# Allegro board 8880F5-0823_9.brd (continued)
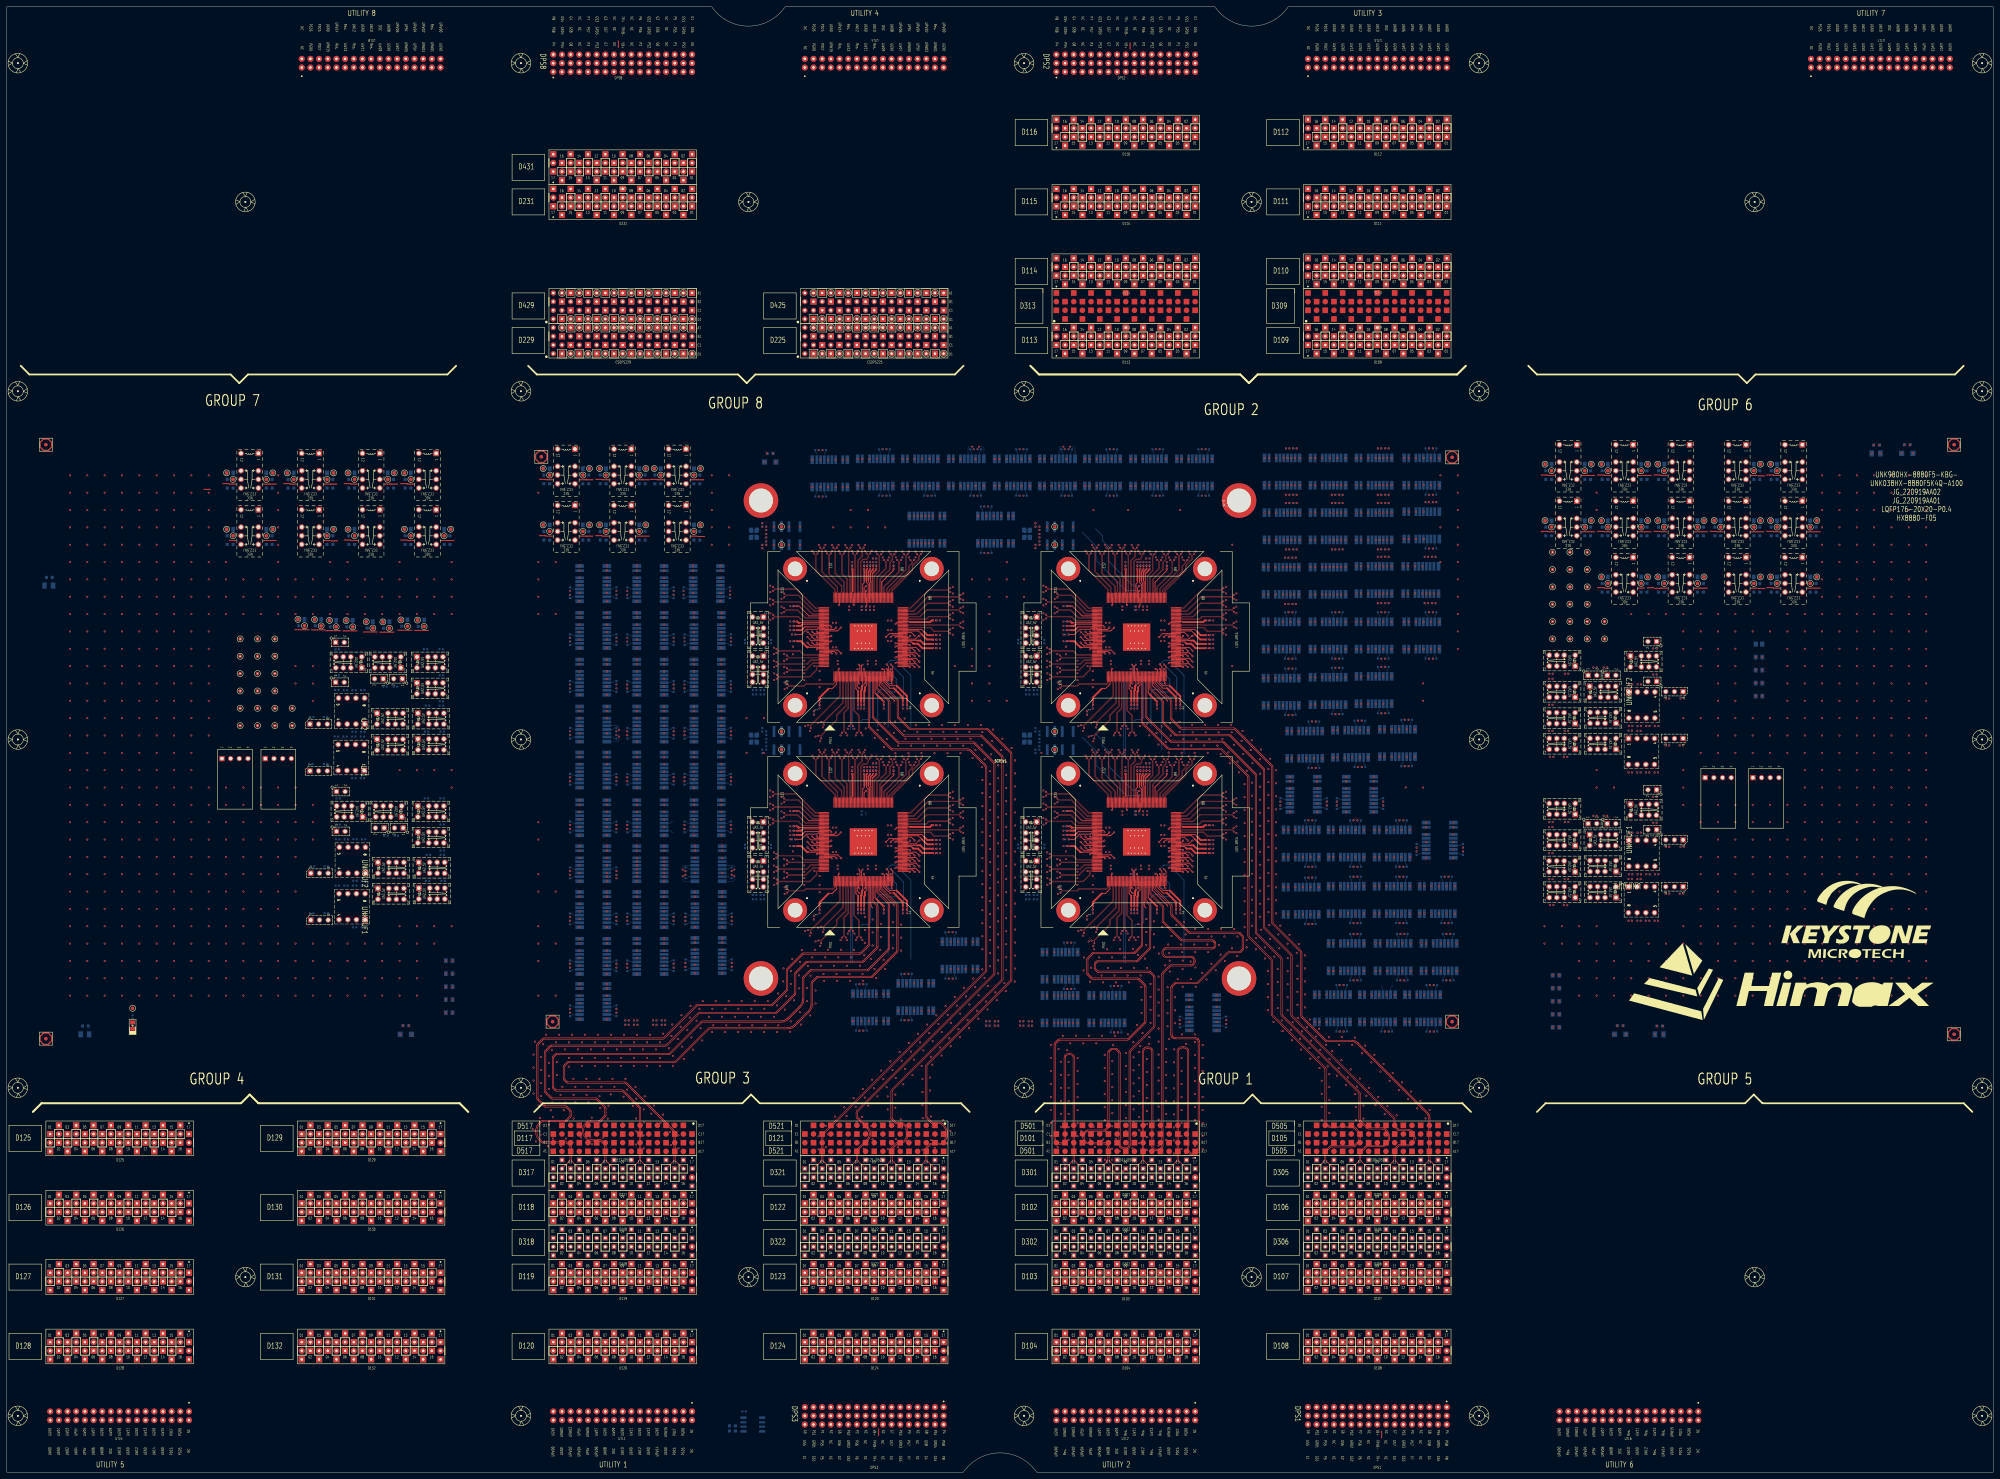
[diagram p0: board, top side]
## Placement (name value [footprint] x y rotation side) (continued)
NOREF#1524  -  []  310.43 243.09 0 top
NOREF#1525  -  []  272.8 145.48 90 top
NOREF#1526  -  []  378.75 256.56 90 top
NOREF#1527  -  []  330.17 225.04 90 top
NOREF#1528  -  []  168.69 290.01 90 top
NOREF#1529  -  []  253.4 265.56 90 top
NOREF#1530  -  []  272.24 244.86 90 top
NOREF#1531  -  []  167.7 231.27 90 top
NOREF#1532  -  []  101.82 287.84 90 top
NOREF#1533  -  []  230.43 187.61 0 top
NOREF#1534  -  []  257.9 246.35 90 top
NOREF#1535  -  []  390.34 192.28 90 top
NOREF#1536  -  []  419.9 288.67 90 top
NOREF#1537  -  []  352.25 241.69 0 top
NOREF#1538  -  []  397.55 209.41 90 top
NOREF#1539  -  []  184.47 255.15 0 top
NOREF#1540  -  []  342.68 163.52 90 top
NOREF#1541  -  []  302.11 192.14 0 top
NOREF#1542  -  []  175.7 137.37 90 top
NOREF#1543  -  []  237.57 269.63 90 top
NOREF#1544  -  []  201.49 146.18 90 top
NOREF#1545  -  []  343.95 164.74 90 top
NOREF#1546  -  []  226.44 294.64 90 top
NOREF#1547  -  []  418.38 131.89 0 top
NOREF#1548  -  []  230.43 194.01 0 top
NOREF#1549  -  []  334.29 205.55 0 top
NOREF#1550  -  []  262.68 224.74 90 top
NOREF#1551  -  []  230.41 253.37 90 top
NOREF#1552  -  []  329.28 163.82 90 top
NOREF#1553  -  []  199.33 185.42 90 top
NOREF#1554  -  []  351.34 245.18 0 top
NOREF#1555  -  []  299.59 288.86 90 top
NOREF#1556  -  []  481.96 276.41 90 top
NOREF#1557  -  []  165.8 199.39 90 top
NOREF#1558  -  []  352.25 184.86 90 top
NOREF#1559  -  []  327.25 205.55 0 top
NOREF#1560  -  []  318.32 131.64 0 top
NOREF#1561  -  []  112.41 214.71 0 top
NOREF#1562  -  []  306.27 156.63 90 top
NOREF#1563  -  []  106.76 222.88 0 top
NOREF#1564  -  []  343.31 224.74 0 top
NOREF#1565  -  []  250.23 132.14 0 top
NOREF#1566  -  []  333.4 205.56 90 top
NOREF#1567  -  []  336.77 223.82 90 top
NOREF#1568  -  []  251.62 265.56 0 top
NOREF#1569  -  []  471.11 186.77 0 top
NOREF#1570  -  []  414.82 297.12 0 top
NOREF#1571  -  []  328.42 129.74 90 top
NOREF#1572  -  []  269.94 135.19 0 top
NOREF#1573  -  []  331.22 253.63 0 top
NOREF#1574  -  []  124.1 238.84 0 top
NOREF#1575  -  []  201.66 186.02 90 top
NOREF#1576  -  []  230.73 183.41 0 top
NOREF#1577  -  []  339.97 204.35 90 top
NOREF#1578  -  []  94.93 190.55 0 top
NOREF#1579  -  []  332.51 205.56 0 top
NOREF#1580  -  []  221.56 231.46 0 top
NOREF#1581  -  []  405.17 131.89 0 top
NOREF#1582  -  []  375.73 194.78 90 top
NOREF#1583  -  []  112.41 222.33 0 top
NOREF#1584  -  []  393.74 131.34 90 top
NOREF#1585  -  []  518.38 259.9 90 top
NOREF#1586  -  []  310.43 253.37 90 top
NOREF#1587  -  []  265.81 296.86 0 top
NOREF#1588  -  []  192.47 175.56 90 top
NOREF#1589  -  []  263.63 223.82 90 top
NOREF#1590  -  []  371.48 265.11 0 top
NOREF#1591  -  []  167.7 165.4 90 top
NOREF#1592  -  []  470.79 128.27 0 top
NOREF#1593  -  []  317.98 163.82 90 top
NOREF#1594  -  []  373.68 265.11 0 top
NOREF#1595  -  []  390.53 171.64 0 top
NOREF#1596  -  []  424.47 163.09 90 top
NOREF#1597  -  []  390.53 163.64 0 top
NOREF#1598  -  []  339.97 264.35 90 top
NOREF#1599  -  []  392.24 193.43 90 top
NOREF#1600  -  []  182.57 212.85 90 top
NOREF#1601  -  []  249.85 164.74 0 top
NOREF#1602  -  []  175.7 189.02 90 top
NOREF#1603  -  []  201.23 192.32 90 top
NOREF#1604  -  []  247.25 204.35 90 top
NOREF#1605  -  []  184.89 199.99 90 top
NOREF#1606  -  []  167.7 258.7 90 top
NOREF#1607  -  []  272.55 183.91 0 top
NOREF#1608  -  []  230.41 183.09 90 top
NOREF#1609  -  []  272.25 189.18 90 top
NOREF#1610  -  []  318.45 197.01 0 top
NOREF#1611  -  []  216.96 240.71 0 top
NOREF#1612  -  []  396.55 225.11 0 top
NOREF#1613  -  []  217.41 213.24 0 top
NOREF#1614  -  []  391.96 131.89 0 top
NOREF#1615  -  []  412.88 139.89 0 top
NOREF#1616  -  []  272.25 244.23 0 top
NOREF#1617  -  []  312.79 288.86 90 top
NOREF#1618  -  []  271.34 189.5 0 top
NOREF#1619  -  []  384.36 131.89 0 top
NOREF#1620  -  []  331.05 264.65 90 top
NOREF#1621  -  []  413.71 148.15 90 top
NOREF#1622  -  []  192.47 236.67 90 top
NOREF#1623  -  []  326.23 173.13 0 top
NOREF#1624  -  []  215.96 177.06 0 top
NOREF#1625  -  []  93.02 247.21 90 top
NOREF#1626  -  []  330.17 163.82 90 top
NOREF#1627  -  []  201.23 233.47 90 top
NOREF#1628  -  []  352.55 242.64 0 top
NOREF#1629  -  []  415.61 183.52 90 top
NOREF#1630  -  []  336.45 224.72 0 top
NOREF#1631  -  []  313.56 131.64 90 top
NOREF#1632  -  []  413.96 182.44 90 top
NOREF#1633  -  []  275.3 155.38 0 top
NOREF#1634  -  []  380.53 217.11 0 top
NOREF#1635  -  []  450.03 225.6 0 top
NOREF#1636  -  []  166.06 135.19 90 top
NOREF#1637  -  []  394.05 239.21 0 top
NOREF#1638  -  []  411.26 179.6 90 top
NOREF#1639  -  []  377.48 273.16 90 top
NOREF#1640  -  []  385.19 289.12 0 top
NOREF#1641  -  []  354.27 131.87 90 top
NOREF#1642  -  []  247.25 264.35 90 top
NOREF#1643  -  []  302.11 142.44 0 top
NOREF#1644  -  []  184.47 242.78 90 top
NOREF#1645  -  []  461.96 217.98 0 top
NOREF#1646  -  []  192.57 160.9 90 top
NOREF#1647  -  []  408.88 133.16 90 top
NOREF#1648  -  []  240.5 288.61 0 top
NOREF#1649  -  []  478.57 293.82 90 top
NOREF#1650  -  []  237.98 223.82 90 top
NOREF#1651  -  []  351.34 182.64 0 top
NOREF#1652  -  []  392.24 194.78 90 top
NOREF#1653  -  []  192.47 164.3 90 top
NOREF#1654  -  []  185.2 273.5 90 top
NOREF#1655  -  []  106.76 210.11 90 top
NOREF#1656  -  []  175.7 148.38 90 top
NOREF#1657  -  []  393.19 287.22 90 top
NOREF#1658  -  []  118.96 179.19 0 top
NOREF#1659  -  []  209.49 148.63 90 top
NOREF#1660  -  []  528.1 259.9 90 top
NOREF#1661  -  []  352.24 182.32 90 top
NOREF#1662  -  []  165.8 240.28 0 top
NOREF#1663  -  []  273.95 155.38 0 top
NOREF#1664  -  []  209.49 155.13 90 top
NOREF#1665  -  []  423.61 182.42 90 top
NOREF#1666  -  []  200.98 255.15 90 top
NOREF#1667  -  []  418.12 241.11 0 top
NOREF#1668  -  []  124.61 178.64 0 top
NOREF#1669  -  []  107.76 238.84 0 top
NOREF#1670  -  []  334.29 204.35 90 top
NOREF#1671  -  []  112.67 171.02 0 top
NOREF#1672  -  []  475.04 239.09 0 top
NOREF#1673  -  []  230.73 187.93 0 top
NOREF#1674  -  []  165.8 131.57 90 top
NOREF#1675  -  []  462.06 277.31 90 top
NOREF#1676  -  []  331.06 163.82 90 top
NOREF#1677  -  []  518.38 273.87 90 top
NOREF#1678  -  []  375.22 163.39 0 top
NOREF#1679  -  []  404.4 273.16 90 top
NOREF#1680  -  []  417.7 154.88 0 top
NOREF#1681  -  []  229.21 183.09 0 top
NOREF#1682  -  []  501.87 273.87 90 top
NOREF#1683  -  []  298.16 188.49 0 top
NOREF#1684  -  []  247.89 204.35 90 top
NOREF#1685  -  []  238.45 257.01 0 top
NOREF#1686  -  []  414.82 249.11 0 top
NOREF#1687  -  []  419.47 241.11 90 top
NOREF#1688  -  []  495.08 277.31 90 top
NOREF#1689  -  []  229.21 187.61 0 top
NOREF#1690  -  []  218.16 188.49 0 top
NOREF#1691  -  []  272.55 243.91 0 top
NOREF#1692  -  []  414.57 265.37 0 top
NOREF#1693  -  []  412.24 144.98 90 top
NOREF#1694  -  []  182.82 203.01 90 top
NOREF#1695  -  []  250.17 223.82 90 top
NOREF#1696  -  []  331.05 205.86 90 top
NOREF#1697  -  []  93.76 287.84 90 top
NOREF#1698  -  []  201.49 161 90 top
NOREF#1699  -  []  471.21 219.38 90 top
NOREF#1700  -  []  201.49 165.4 90 top
NOREF#1701  -  []  468.01 179.15 0 top
NOREF#1702  -  []  415.6 146.88 0 top
NOREF#1703  -  []  397.8 179.7 90 top
NOREF#1704  -  []  262.04 164.72 0 top
NOREF#1705  -  []  451.64 179.06 0 top
NOREF#1706  -  []  263.83 171.63 90 top
NOREF#1707  -  []  177.33 133.47 90 top
NOREF#1708  -  []  351.04 241.69 0 top
NOREF#1709  -  []  394.66 258.64 90 top
NOREF#1710  -  []  298.16 177.06 0 top
NOREF#1711  -  []  303.56 185.29 90 top
NOREF#1712  -  []  230.41 248.88 90 top
NOREF#1713  -  []  393.19 239.21 90 top
NOREF#1714  -  []  247.57 264.65 90 top
NOREF#1715  -  []  117.01 234.24 90 top
NOREF#1716  -  []  276.4 147.38 0 top
NOREF#1717  -  []  211.11 146.93 90 top
NOREF#1718  -  []  263.85 273.37 90 top
NOREF#1719  -  []  119.99 214.79 0 top
NOREF#1720  -  []  396.55 257.37 0 top
NOREF#1721  -  []  229.51 189.2 0 top
NOREF#1722  -  []  459.24 219.3 0 top
NOREF#1723  -  []  167.7 241.43 90 top
NOREF#1724  -  []  371.48 241.11 0 top
NOREF#1725  -  []  485.36 292.02 90 top
NOREF#1726  -  []  337.09 224.74 90 top
NOREF#1727  -  []  396.28 163.69 90 top
NOREF#1728  -  []  393.19 222.95 90 top
NOREF#1729  -  []  392.24 196.98 90 top
NOREF#1730  -  []  460.93 210.36 90 top
NOREF#1731  -  []  392.04 224.85 90 top
NOREF#1732  -  []  296.96 240.71 0 top
NOREF#1733  -  []  408.63 274.64 90 top
NOREF#1734  -  []  184.47 186.57 90 top
NOREF#1735  -  []  425.2 161.74 90 top
NOREF#1736  -  []  343.95 163.52 90 top
NOREF#1737  -  []  410.52 289.12 0 top
NOREF#1738  -  []  396.55 273.11 0 top
NOREF#1739  -  []  177.33 201.29 90 top
NOREF#1740  -  []  396.55 241.11 0 top
NOREF#1741  -  []  419.73 131.89 90 top
NOREF#1742  -  []  240.83 254.63 0 top
NOREF#1743  -  []  420.15 131.44 90 top
NOREF#1744  -  []  199.08 254 0 top
NOREF#1745  -  []  342.68 224.74 90 top
NOREF#1746  -  []  116.27 178.64 0 top
NOREF#1747  -  []  371.48 224.6 0 top
NOREF#1748  -  []  127.81 175.44 90 top
NOREF#1749  -  []  354.27 134.07 90 top
NOREF#1750  -  []  128.21 178.64 0 top
NOREF#1751  -  []  166.06 230.19 90 top
NOREF#1752  -  []  322.23 173.13 0 top
NOREF#1753  -  []  167.7 214 0 top
NOREF#1754  -  []  369.38 224.6 0 top
NOREF#1755  -  []  405.51 209.61 0 top
NOREF#1756  -  []  216.96 192.14 0 top
NOREF#1757  -  []  165.8 144.78 90 top
NOREF#1758  -  []  239.33 176.03 90 top
NOREF#1759  -  []  327.25 204.35 90 top
NOREF#1760  -  []  96.33 238.84 0 top
NOREF#1761  -  []  351.34 249.5 0 top
NOREF#1762  -  []  368.03 232.6 0 top
NOREF#1763  -  []  272.24 249.18 90 top
NOREF#1764  -  []  471.21 168.33 0 top
NOREF#1765  -  []  396.55 257.37 0 top
NOREF#1766  -  []  228.36 262.16 45 top
NOREF#1767  -  []  352.25 241.05 90 top
NOREF#1768  -  []  400.24 202.38 90 top
NOREF#1769  -  []  201.49 165.4 90 top
NOREF#1770  -  []  259.33 265.56 90 top
NOREF#1771  -  []  167.7 132.72 0 top
NOREF#1772  -  []  310.73 189.2 0 top
NOREF#1773  -  []  192.57 215.25 90 top
NOREF#1774  -  []  331.62 265.55 0 top
NOREF#1775  -  []  201.49 146.18 0 top
NOREF#1776  -  []  400.85 297.12 0 top
NOREF#1777  -  []  270.29 135.24 90 top
NOREF#1778  -  []  253.4 205.56 0 top
NOREF#1779  -  []  398.53 161.74 90 top
NOREF#1780  -  []  272.25 181.05 90 top
NOREF#1781  -  []  182.57 212.85 0 top
NOREF#1782  -  []  383.09 289.12 0 top
NOREF#1783  -  []  237.98 165.04 90 top
NOREF#1784  -  []  118.45 239.39 0 top
NOREF#1785  -  []  379.73 287.22 90 top
NOREF#1786  -  []  415.6 146.88 0 top
NOREF#1787  -  []  314.71 129.74 90 top
NOREF#1788  -  []  199.59 171.96 0 top
NOREF#1789  -  []  247.34 133.41 90 top
NOREF#1790  -  []  451.68 214.96 0 top
NOREF#1791  -  []  459.28 227 0 top
NOREF#1792  -  []  254.29 265.55 0 top
NOREF#1793  -  []  377.48 289.17 90 top
NOREF#1794  -  []  310.43 187.61 0 top
NOREF#1795  -  []  303.56 173.86 90 top
NOREF#1796  -  []  330.73 265.55 0 top
NOREF#1797  -  []  66.26 271.33 90 top
NOREF#1798  -  []  271.31 288.86 0 top
NOREF#1799  -  []  246.67 288.16 90 top
NOREF#1800  -  []  84.04 290.38 90 top
NOREF#1801  -  []  124.35 187.53 0 top
NOREF#1802  -  []  248 286.96 0 top
NOREF#1803  -  []  456.08 186.77 0 top
NOREF#1804  -  []  316.97 139.64 0 top
NOREF#1805  -  []  396.55 241.11 0 top
NOREF#1806  -  []  268.94 272.1 0 top
NOREF#1807  -  []  263.71 288.86 0 top
NOREF#1808  -  []  351.34 181.37 0 top
NOREF#1809  -  []  175.7 202.99 90 top
NOREF#1810  -  []  226.83 209.63 90 top
NOREF#1811  -  []  230.43 186.34 0 top
NOREF#1812  -  []  354.37 130.67 90 top
NOREF#1813  -  []  351.34 189.5 0 top
NOREF#1814  -  []  352.25 181.05 90 top
NOREF#1815  -  []  258.61 131.69 90 top
NOREF#1816  -  []  379.48 222.7 90 top
NOREF#1817  -  []  272.55 245.18 0 top
NOREF#1818  -  []  398.65 241.11 0 top
NOREF#1819  -  []  342.36 165.04 90 top
NOREF#1820  -  []  352.25 181.69 0 top
NOREF#1821  -  []  459.28 168.33 0 top
NOREF#1822  -  []  333.4 205.56 0 top
NOREF#1823  -  []  301.56 231.46 0 top
NOREF#1824  -  []  229.05 271.67 0 top
NOREF#1825  -  []  201.23 190.12 90 top
NOREF#1826  -  []  279.7 155.38 0 top
NOREF#1827  -  []  310.43 186.34 0 top
NOREF#1828  -  []  167.7 200.54 90 top
NOREF#1829  -  []  175.7 209.49 90 top
NOREF#1830  -  []  209.23 216.45 90 top
NOREF#1831  -  []  230.43 253.37 0 top
NOREF#1832  -  []  373.87 171.39 0 top
NOREF#1833  -  []  352.55 245.18 0 top
NOREF#1834  -  []  386.46 131.89 0 top
NOREF#1835  -  []  112.67 178.64 0 top
NOREF#1836  -  []  330.73 205.56 90 top
NOREF#1837  -  []  352.25 182.96 0 top
NOREF#1838  -  []  304.61 144.34 0 top
NOREF#1839  -  []  124.35 222.33 0 top
NOREF#1840  -  []  383.73 195.88 90 top
NOREF#1841  -  []  310.41 247.61 90 top
NOREF#1842  -  []  334.81 296.86 0 top
NOREF#1843  -  []  339.65 265.86 90 top
NOREF#1844  -  []  167.7 149.48 90 top
NOREF#1845  -  []  184.47 214 0 top
NOREF#1846  -  []  334.29 205.56 0 top
NOREF#1847  -  []  177.33 187.32 90 top
NOREF#1848  -  []  240.94 211.63 90 top
NOREF#1849  -  []  465.31 186.77 0 top
NOREF#1850  -  []  108.01 214.71 0 top
NOREF#1851  -  []  392.47 272.66 90 top
NOREF#1852  -  []  295.96 248.49 0 top
NOREF#1853  -  []  182.82 189.04 90 top
NOREF#1854  -  []  399.99 181.42 90 top
NOREF#1855  -  []  383.09 273.11 0 top
NOREF#1856  -  []  367.48 225.87 90 top
NOREF#1857  -  []  331.62 204.35 90 top
NOREF#1858  -  []  312.46 131.69 90 top
NOREF#1859  -  []  249.85 164.72 0 top
NOREF#1860  -  []  209.08 256.4 90 top
NOREF#1861  -  []  319.15 288.86 0 top
NOREF#1862  -  []  351.04 182.96 0 top
NOREF#1863  -  []  330.73 264.35 90 top
NOREF#1864  -  []  272.55 241.37 0 top
NOREF#1865  -  []  220.36 177.06 0 top
NOREF#1866  -  []  310.73 243.41 0 top
NOREF#1867  -  []  310.41 183.09 90 top
NOREF#1868  -  []  396.55 273.11 0 top
NOREF#1869  -  []  413.71 178.82 90 top
NOREF#1870  -  []  398.65 249.11 0 top
NOREF#1871  -  []  473.6 206.05 90 top
NOREF#1872  -  []  184.47 192.32 90 top
NOREF#1873  -  []  192.47 232.37 90 top
NOREF#1874  -  []  327.57 265.86 90 top
NOREF#1875  -  []  325.92 131.64 0 top
NOREF#1876  -  []  263.71 288.86 0 top
NOREF#1877  -  []  118.33 286.94 90 top
NOREF#1878  -  []  192.47 182.06 90 top
NOREF#1879  -  []  155.57 275.14 90 top
NOREF#1880  -  []  473.6 162.62 90 top
NOREF#1881  -  []  390.94 241.16 90 top
NOREF#1882  -  []  310.43 253.37 90 top
NOREF#1883  -  []  409.74 146.88 0 top
NOREF#1884  -  []  264.29 272.1 90 top
NOREF#1885  -  []  272.25 184.86 90 top
NOREF#1886  -  []  378.33 209.11 0 top
NOREF#1887  -  []  384.17 180.15 90 top
NOREF#1888  -  []  406.65 239.21 90 top
NOREF#1889  -  []  392.04 273.11 90 top
NOREF#1890  -  []  305.94 296.86 0 top
NOREF#1891  -  []  460.93 191.31 90 top
NOREF#1892  -  []  373.93 297.12 0 top
NOREF#1893  -  []  313.98 143.89 90 top
NOREF#1894  -  []  250.49 223.52 90 top
NOREF#1895  -  []  331.94 205.86 90 top
NOREF#1896  -  []  242.23 173.13 90 top
NOREF#1897  -  []  230.73 253.69 0 top
NOREF#1898  -  []  478.57 257.36 90 top
NOREF#1899  -  []  166.06 162.12 90 top
NOREF#1900  -  []  451.68 195.91 0 top
NOREF#1901  -  []  184.47 200.54 0 top
NOREF#1902  -  []  272.24 183.59 90 top
NOREF#1903  -  []  254.8 296.86 0 top
NOREF#1904  -  []  404.4 289.17 90 top
NOREF#1905  -  []  448.94 276.41 90 top
NOREF#1906  -  []  371.48 257.11 0 top
NOREF#1907  -  []  333.72 264.65 90 top
NOREF#1908  -  []  339.33 205.55 0 top
NOREF#1909  -  []  229.51 253.69 0 top
NOREF#1910  -  []  199.59 145.03 0 top
NOREF#1911  -  []  417.2 163.64 0 top
NOREF#1912  -  []  295.96 188.49 0 top
NOREF#1913  -  []  184.47 219.75 90 top
NOREF#1914  -  []  300.01 288.31 90 top
NOREF#1915  -  []  201.23 204.09 90 top
NOREF#1916  -  []  336.77 225.04 90 top
NOREF#1917  -  []  459.24 175.86 0 top
NOREF#1918  -  []  254.61 204.65 90 top
NOREF#1919  -  []  385.93 161.74 0 top
NOREF#1920  -  []  118.99 171.65 0 top
NOREF#1921  -  []  235.85 288.61 90 top
NOREF#1922  -  []  229.51 247.93 0 top
NOREF#1923  -  []  263.63 165.04 90 top
NOREF#1924  -  []  389.7 209.36 0 top
NOREF#1925  -  []  379.52 188.15 0 top
NOREF#1926  -  []  284.79 272.65 90 top
NOREF#1927  -  []  304.65 211.67 0 top
NOREF#1928  -  []  453.88 230.2 0 top
NOREF#1929  -  []  184.47 147.28 90 top
NOREF#1930  -  []  262.36 163.82 90 top
NOREF#1931  -  []  400.25 148.15 90 top
NOREF#1932  -  []  453.88 214.96 0 top
NOREF#1933  -  []  199.33 199.39 90 top
NOREF#1934  -  []  259.84 145.09 0 top
NOREF#1935  -  []  106.76 215.26 0 top
NOREF#1936  -  []  184.89 145.38 90 top
NOREF#1937  -  []  451.64 222.5 0 top
NOREF#1938  -  []  331.62 205.55 0 top
NOREF#1939  -  []  404.15 273.11 0 top
NOREF#1940  -  []  122.19 247.3 90 top
NOREF#1941  -  []  230.73 249.2 0 top
NOREF#1942  -  []  192.47 202.99 90 top
NOREF#1943  -  []  168.13 240.88 90 top
NOREF#1944  -  []  552.76 299.72 0 top
NOREF#1945  -  []  192.47 264.1 90 top
NOREF#1946  -  []  262.04 164.74 0 top
NOREF#1947  -  []  168.13 213.45 90 top
NOREF#1948  -  []  320.83 254.63 0 top
NOREF#1949  -  []  318.3 224.74 90 top
NOREF#1950  -  []  322.62 139.64 0 top
NOREF#1951  -  []  481.96 273.87 90 top
NOREF#1952  -  []  118.33 289.48 90 top
NOREF#1953  -  []  339.89 288.31 90 top
NOREF#1954  -  []  301.56 250.49 0 top
NOREF#1955  -  []  167.7 187.92 90 top
NOREF#1956  -  []  194.09 173.86 90 top
NOREF#1957  -  []  381.2 242.38 90 top
NOREF#1958  -  []  334.29 264.35 90 top
NOREF#1959  -  []  230.41 246.34 90 top
NOREF#1960  -  []  201.23 227.72 0 top
NOREF#1961  -  []  192.47 259.8 90 top
NOREF#1962  -  []  290.64 288.86 0 top
NOREF#1963  -  []  217.71 276.09 0 top
NOREF#1964  -  []  175.7 191.22 90 top
NOREF#1965  -  []  408.92 265.37 0 top
NOREF#1966  -  []  168.13 132.17 90 top
NOREF#1967  -  []  106.76 215.26 0 top
NOREF#1968  -  []  478.57 259.9 90 top
NOREF#1969  -  []  201.23 227.72 90 top
NOREF#1970  -  []  330.49 223.52 90 top
NOREF#1971  -  []  518.38 276.41 90 top
NOREF#1972  -  []  217.41 273.24 90 top
NOREF#1973  -  []  451.68 195.91 0 top
NOREF#1974  -  []  259.65 264.65 90 top
NOREF#1975  -  []  240.94 151.63 90 top
NOREF#1976  -  []  346.69 128.87 90 top
NOREF#1977  -  []  331.62 265.56 90 top
NOREF#1978  -  []  262.04 224.74 0 top
NOREF#1979  -  []  412.37 265.37 0 top
NOREF#1980  -  []  460.93 166.93 90 top
NOREF#1981  -  []  184.47 186.57 0 top
NOREF#1982  -  []  390.34 192.28 0 top
NOREF#1983  -  []  371.73 273.11 0 top
NOREF#1984  -  []  166.06 189.04 90 top
NOREF#1985  -  []  209.33 187.82 90 top
NOREF#1986  -  []  261.82 290.13 90 top
NOREF#1987  -  []  414.82 281.37 0 top
NOREF#1988  -  []  342.68 223.52 90 top
NOREF#1989  -  []  310.73 186.66 0 top
NOREF#1990  -  []  192.47 150.58 90 top
NOREF#1991  -  []  167.7 161 90 top
NOREF#1992  -  []  387.39 232.85 0 top
NOREF#1993  -  []  369.63 273.11 0 top
NOREF#1994  -  []  367.48 258.38 90 top
NOREF#1995  -  []  182.57 171.96 90 top
NOREF#1996  -  []  301.34 286.96 0 top
NOREF#1997  -  []  230.43 243.09 90 top
NOREF#1998  -  []  199.33 240.28 90 top
NOREF#1999  -  []  337.9 246.99 0 top
NOREF#2000  -  []  115.19 128.27 0 top
NOREF#2001  -  []  396.55 289.12 0 top
NOREF#2002  -  []  416.03 179.42 90 top
NOREF#2003  -  []  167.7 206.29 90 top
NOREF#2004  -  []  392.47 240.56 90 top
NOREF#2005  -  []  107.76 238.84 0 top
NOREF#2006  -  []  230.73 249.2 0 top
NOREF#2007  -  []  330.17 165.04 90 top
NOREF#2008  -  []  342.68 164.74 90 top
NOREF#2009  -  []  167.7 151.68 90 top
NOREF#2010  -  []  209.49 177.76 90 top
NOREF#2011  -  []  468.68 129.54 0 top
NOREF#2012  -  []  511.59 273.87 90 top
NOREF#2013  -  []  409.74 163.69 90 top
NOREF#2014  -  []  390.69 289.12 0 top
NOREF#2015  -  []  94.93 190.55 0 top
NOREF#2016  -  []  328.96 164.72 0 top
NOREF#2017  -  []  329.85 164.72 0 top
NOREF#2018  -  []  319.33 183.63 90 top
NOREF#2019  -  []  310.73 249.2 0 top
NOREF#2020  -  []  456.04 222.5 0 top
NOREF#2021  -  []  118.7 195.7 0 top
NOREF#2022  -  []  352.24 181.05 90 top
NOREF#2023  -  []  184.47 255.15 90 top
NOREF#2024  -  []  310.73 247.93 0 top
NOREF#2025  -  []  168.13 159.1 90 top
NOREF#2026  -  []  346.27 135.17 90 top
NOREF#2027  -  []  451.68 239.34 0 top
NOREF#2028  -  []  463.61 171.53 0 top
NOREF#2029  -  []  309.51 189.2 0 top
NOREF#2030  -  []  167.7 215.35 90 top
NOREF#2031  -  []  105.93 204.27 90 top
NOREF#2032  -  []  175.7 164.3 90 top
NOREF#2033  -  []  230.43 246.34 90 top
NOREF#2034  -  []  211.11 160.4 90 top
NOREF#2035  -  []  223.56 173.86 90 top
NOREF#2036  -  []  250.73 264.35 90 top
NOREF#2037  -  []  251.86 252.43 90 top
NOREF#2038  -  []  555.66 300.54 90 top
NOREF#2039  -  []  237.98 163.82 90 top
NOREF#2040  -  []  177.33 173.86 90 top
NOREF#2041  -  []  331.05 265.86 90 top
NOREF#2042  -  []  209.23 189.02 90 top
NOREF#2043  -  []  410.27 257.37 0 top
NOREF#2044  -  []  127.7 231.22 0 top
NOREF#2045  -  []  411.26 163.19 90 top
NOREF#2046  -  []  118.7 195.7 0 top
NOREF#2047  -  []  257.9 186.99 0 top
NOREF#2048  -  []  229.21 247.61 0 top
NOREF#2049  -  []  412.37 257.37 0 top
NOREF#2050  -  []  263.31 224.72 0 top
NOREF#2051  -  []  263.44 135.19 0 top
NOREF#2052  -  []  401.87 139.89 0 top
NOREF#2053  -  []  390.69 241.11 0 top
NOREF#2054  -  []  257.09 224.74 90 top
NOREF#2055  -  []  230.43 248.88 0 top
NOREF#2056  -  []  338.11 288.86 0 top
NOREF#2057  -  []  376.98 241.11 0 top
NOREF#2058  -  []  396.55 289.12 0 top
NOREF#2059  -  []  303.56 233.86 90 top
NOREF#2060  -  []  248.21 132.69 90 top
NOREF#2061  -  []  383.09 273.11 0 top
NOREF#2062  -  []  405.42 131.94 90 top
NOREF#2063  -  []  251.05 205.86 90 top
NOREF#2064  -  []  461.96 174.55 0 top
NOREF#2065  -  []  305.94 288.86 0 top
NOREF#2066  -  []  411.01 209.61 0 top
NOREF#2067  -  []  167.7 219.75 90 top
NOREF#2068  -  []  385.19 297.12 0 top
NOREF#2069  -  []  378.75 224.05 90 top
NOREF#2070  -  []  453.88 171.53 0 top
NOREF#2071  -  []  450.03 234.74 0 top
NOREF#2072  -  []  177.33 160.4 90 top
NOREF#2073  -  []  342.04 224.72 0 top
NOREF#2074  -  []  330.74 224.74 0 top
NOREF#2075  -  []  400.24 195.88 90 top
NOREF#2076  -  []  342.04 164.72 0 top
NOREF#2077  -  []  201.23 186.57 0 top
NOREF#2078  -  []  199.59 145.03 90 top
NOREF#2079  -  []  201.49 151.93 90 top
NOREF#2080  -  []  329.6 164.74 90 top
NOREF#2081  -  []  252.51 265.56 90 top
NOREF#2082  -  []  221.56 190.49 0 top
NOREF#2083  -  []  388.66 139.89 0 top
NOREF#2084  -  []  107.02 174.04 90 top
NOREF#2085  -  []  221.56 182.89 0 top
NOREF#2086  -  []  343.98 288.86 0 top
NOREF#2087  -  []  418.63 131.94 90 top
NOREF#2088  -  []  450.03 210.36 0 top
NOREF#2089  -  []  119.76 127 90 top
NOREF#2090  -  []  165.8 254 0 top
NOREF#2091  -  []  402.06 217.61 0 top
NOREF#2092  -  []  319.33 236.03 0 top
NOREF#2093  -  []  251.06 223.82 90 top
NOREF#2094  -  []  342.36 223.82 90 top
NOREF#2095  -  []  382.47 133.16 90 top
NOREF#2096  -  []  309.51 186.66 0 top
NOREF#2097  -  []  366.88 255.21 0 top
NOREF#2098  -  []  395.2 233.11 0 top
NOREF#2099  -  []  267.84 280.1 0 top
NOREF#2100  -  []  460.93 225.6 90 top
NOREF#2101  -  []  451.64 179.06 0 top
NOREF#2102  -  []  462.06 293.82 90 top
NOREF#2103  -  []  257.09 163.52 90 top
NOREF#2104  -  []  184.47 201.89 90 top
NOREF#2105  -  []  309.51 253.69 0 top
NOREF#2106  -  []  343.98 288.86 0 top
NOREF#2107  -  []  271.04 189.18 0 top
NOREF#2108  -  []  460.93 234.74 90 top
NOREF#2109  -  []  272.24 189.18 90 top
NOREF#2110  -  []  260.83 174.63 90 top
NOREF#2111  -  []  339.33 205.55 0 top
NOREF#2112  -  []  392.24 193.43 0 top
NOREF#2113  -  []  330.73 265.56 90 top
NOREF#2114  -  []  284.36 280.1 0 top
NOREF#2115  -  []  399.67 139.89 0 top
NOREF#2116  -  []  330.73 204.35 90 top
NOREF#2117  -  []  119.95 195.15 0 top
NOREF#2118  -  []  397.57 131.89 0 top
NOREF#2119  -  []  230.43 186.34 90 top
NOREF#2120  -  []  518.38 292.92 90 top
NOREF#2121  -  []  110.47 171.02 0 top
NOREF#2122  -  []  380.59 271.21 0 top
NOREF#2123  -  []  419.9 272.82 90 top
NOREF#2124  -  []  352.24 241.05 90 top
NOREF#2125  -  []  372.72 178.25 0 top
NOREF#2126  -  []  167.7 219.75 90 top
NOREF#2127  -  []  209.49 182.06 90 top
NOREF#2128  -  []  105.58 234.24 90 top
NOREF#2129  -  []  184.47 241.43 0 top
NOREF#2130  -  []  329.28 165.04 90 top
NOREF#2131  -  []  248.96 164.74 0 top
NOREF#2132  -  []  297.71 276.09 0 top
NOREF#2133  -  []  419.9 288.57 90 top
NOREF#2134  -  []  405.5 273.11 90 top
NOREF#2135  -  []  298.13 214.06 90 top
NOREF#2136  -  []  465.45 292.92 90 top
NOREF#2137  -  []  390.69 257.11 0 top
NOREF#2138  -  []  304.61 131.64 0 top
NOREF#2139  -  []  209.23 236.67 90 top
NOREF#2140  -  []  119.7 238.84 0 top
NOREF#2141  -  []  415.61 185.72 90 top
NOREF#2142  -  []  263.63 163.82 90 top
NOREF#2143  -  []  309.21 187.61 0 top
NOREF#2144  -  []  240.83 194.63 0 top
NOREF#2145  -  []  167.7 206.29 90 top
NOREF#2146  -  []  423.2 146.88 0 top
NOREF#2147  -  []  118.7 182.93 90 top
NOREF#2148  -  []  242.23 173.13 0 top
NOREF#2149  -  []  262.36 296.86 0 top
NOREF#2150  -  []  308.36 202.16 45 top
NOREF#2151  -  []  22.16 130.26 90 top
NOREF#2152  -  []  352.55 182.64 0 top
NOREF#2153  -  []  378.75 240.66 90 top
NOREF#2154  -  []  339.65 205.86 90 top
NOREF#2155  -  []  327.25 265.56 90 top
NOREF#2156  -  []  394.66 226.38 90 top
NOREF#2157  -  []  184.47 178.86 90 top
NOREF#2158  -  []  425.7 144.98 90 top
